# Altium PCB Terra.PcbDoc (part 6 of 7)
Units mm, origin at the board's own origin, x right, y up, seen from the top; angles counter-clockwise.
Board outline 126 x 65 mm, 6 copper layers (Top Layer, Int1 (Sign), Int2 (GND), Int3(PWR), Int4(Sign), Bottom Layer), stack 2.348 mm thick; 559 components, 490 nets, 2466 pads, 1027 vias.
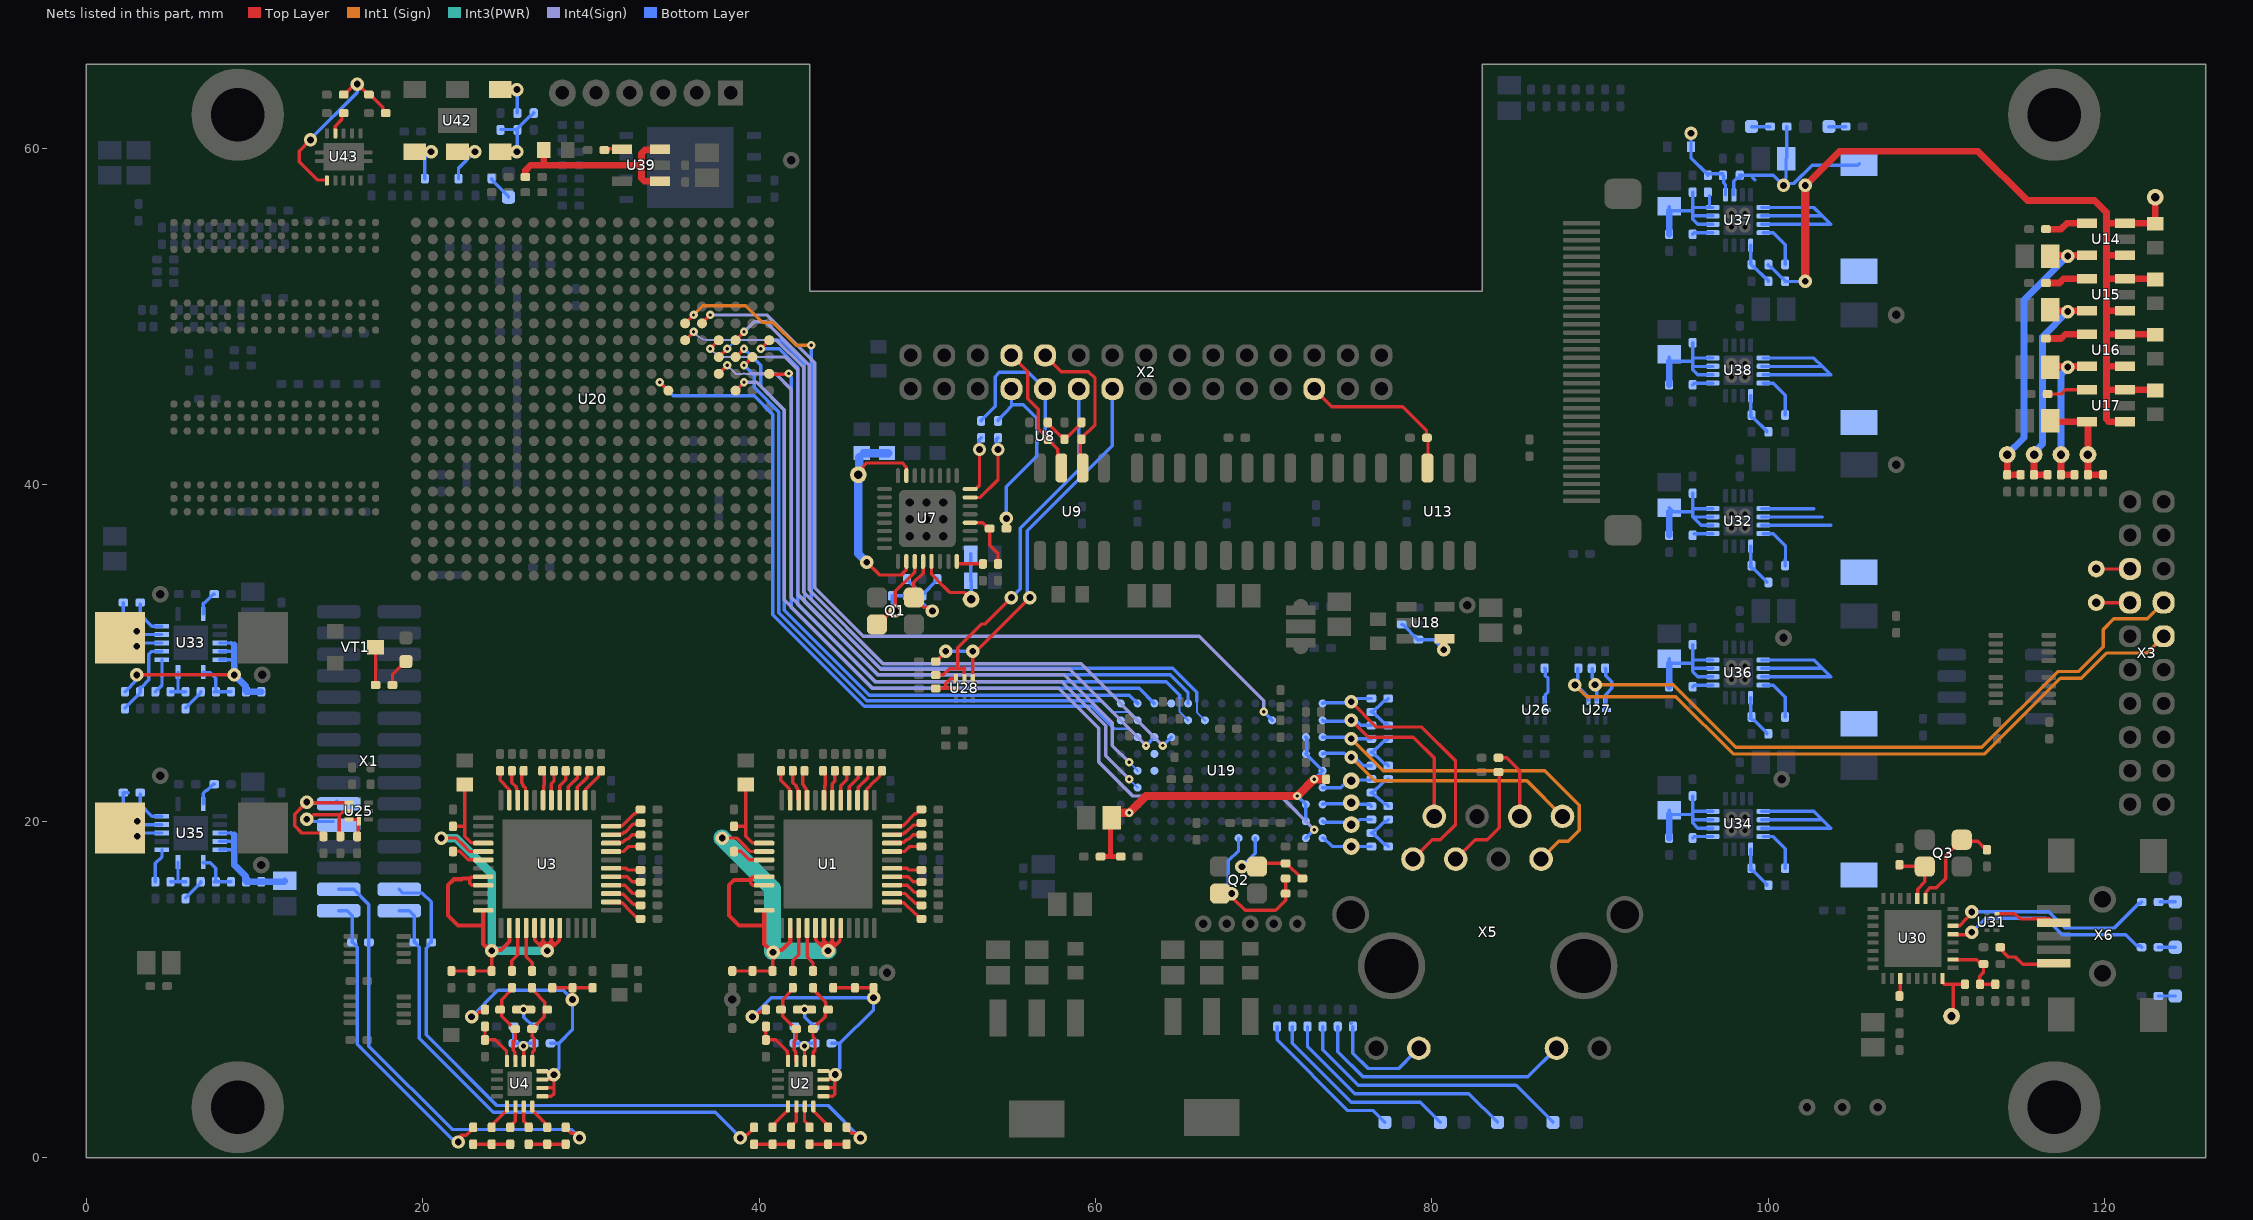
[diagram p10: the nets of this part, all layers, seen from the top]

## Via types
v1: diameter 0.5/0.5/0.5/0.5/0.5/0.5 (per signal layer), hole 0.2, Top Layer to Bottom Layer, tented both sides, 471 vias
v2: diameter 0.8, hole 0.4, Top Layer to Bottom Layer, tented both sides, 402 vias
v3: diameter 0.5/0.5/0.5/0.3/0.5/0.5 (per signal layer), hole 0.2, Top Layer to Bottom Layer, tented both sides, 87 vias
v4: diameter 0.9, hole 0.4, Top Layer to Bottom Layer, 32 vias
v5: diameter 0.6, hole 0.3, Top Layer to Bottom Layer, tented both sides, 26 vias
v6: diameter 0.6/0.6/0.6/0.6/0.6/0.6 (per signal layer), hole 0.3, Top Layer to Bottom Layer, tented both sides, 3 vias
v7: diameter 0.5/0.3/0.5/0.5/0.5/0.5 (per signal layer), hole 0.2, Top Layer to Bottom Layer, tented both sides, 3 vias
v8: diameter 0.8/0.8/0.8/0.5/0.8/0.8 (per signal layer), hole 0.4, Top Layer to Bottom Layer, tented both sides, 2 vias
v9: diameter 0.8/0.8/0.8/0.8/0.8/0.8 (per signal layer), hole 0.4, Top Layer to Bottom Layer, tented both sides, 1 vias

## Nets (pads, with @x,y where several pads share a name; then routed paths per layer and width w, separated by ;. In a path a pad name is that pad's centre, name@x,y a point inside that pad or via, vN(x,y) a via of type N, cw(c..) or ccw(c..) an arc to the next point about the centre after c; other vN are vias at no path point) (continued)
MA2-: R72.2 U13.7 X2.25 | length 9.8
  Top Layer w0.2: X2.25@73,45.7 74.05,44.65 78.25,44.65 79.677,43.223 79.677,42.823 R72.2@79.7,42.8 ; U13.7@79.765,41.065 R72.2@79.765,42.735
NetC1_1: C1.1 C2.1 L2.2 U1.29 U1.32 U1.33 U1.36 U1.38 U1.41 U1.42 U1.43 U1.44 | length 36
  Top Layer w0.2: v2(37.8,19) 38.684,19 39.097,18.587 39.484,18.2 U1.29@40.3,18.2 ; L2.2@38.4,11.1 C1.1@40.8,11.1 ; U1.33@40.3,16.2 39.617,16.2 39.5,16.317 39.5,16.5 39.5,16.6 39.56,16.66 40.26,16.66 U1.32@40.3,16.7 ; C1.1@40.8,11.2 v2@40.8,12.217 ; U1.41@43.35,13.65 43.362,13.638 43.362,12.938 44,12.3 v2(44.1,12.3) 44.1,12.5 44.062,12.5 43.985,12.577 v2@43.985,12.615 ; 43.85,12.75 U1.42@43.85,13.65 ; v2@44.2,12.3 44.81,12.91 44.81,13.61 U1.44@44.85,13.65 ; 44.35,12.75 U1.43@44.35,13.65
  Top Layer w0.25: 39.5,16.5 38.5,16.5 38.2,16.2 38.2,14.4 38.8,13.8 40.3,13.8 ; U1.36@40.3,14.7 40.3,13.8 ; U1.38@41.85,13.65 41.85,12.85 41.345,12.345 41.033,12.345 40.905,12.217 v2(40.828,12.217) 40.8,12.217 40.783,12.217 40.3,12.7 40.3,13.8
  Top Layer w0.4: 43.85,12.75 v2@43.985,12.615 ; v2@44.1,12.5 44.35,12.75
  Int3(PWR) w0.5: v2@40.8,12.245 v2(40.828,12.217)
  Int3(PWR) w1: v2(37.8,19) 40.8,16 v2@40.8,12.245 ; v2@40.8,12.3 v2(44.1,12.3)
NetC5_1: C5.1 U1.39 | length 2.7
  Top Layer w0.2: C5.1@42,11.1 42,11.7 42.35,12.05 U1.39@42.35,13.65
NetC5_2: C5.2 C7.1 R21.1 U2.11 | length 5.1
  Top Layer w0.2: R21.1@41.3,8.8 41.308,8.8 41.398,8.89 41.398,9.398 41.91,9.91 41.91,10.01 C5.2@42,10.1 ; R21.1@41.4,8.739 41.4,8.662 41.4,8.4 42.15,7.65 C7.1@42.2,7.65 42.2,7.037 42.08,6.917 42.08,6.373 42.173,6.28 42.173,5.769 U2.11@42.2,5.742
NetC6_1: C6.1 R8.1 R10.1 | length 2.2
  Top Layer w0.2: C6.1@39.7,0.8 R8.1@40.8,0.8 R10.1@41.9,0.8
NetC6_2: C6.2 R7.2 X1.2 | length 31.2
  Top Layer w0.2: v2(38.88,1.17) 38.88,1.224 39.006,1.35 39.289,1.35 39.7,1.761 C6.2@39.7,1.8
  Bottom Layer w0.2: X1.2@18.6,14.68 19.208,14.68 19.5,14.388 R7.2@19.5,12.8 19.539,12.8 19.678,12.662 19.678,12.622 19.8,12.5 19.8,7.1 24.2,2.7 37.4,2.7 38.88,1.22 v2(38.88,1.17)
NetC7_2: C7.2 C8.2 R22.1 U2.9 | length 5.1
  Top Layer w0.2: U2.9@43.2,5.742 43.227,5.769 43.227,6.28 43.32,6.373 43.32,7.057 43.2,7.177 C7.2@43.2,7.65 43.239,7.65 43.378,7.789 43.378,7.828 43.933,8.383 43.933,8.733 44,8.8 43.96,8.84 43.96,9.24 43.29,9.91 43.29,10.01 C8.2@43.2,10.1
NetC8_1: C8.1 U1.40 | length 2.7
  Top Layer w0.2: U1.40@42.85,13.65 42.85,11.95 43.2,11.6 C8.1@43.2,11.1
NetC9_1: C9.1 R12.1 R14.1 | length 2.2
  Top Layer w0.2: R12.1@43,0.8 C9.1@45.2,0.8
NetC9_2: C9.2 R7.1 X1.4 | length 39.8
  Top Layer w0.2: C9.2@45.2,1.761 45.516,1.445 45.852,1.445 45.967,1.33 45.967,1.223 v2(46.02,1.17)
  Bottom Layer w0.2: X1.4@18.6,15.95 18.819,15.731 19.969,15.731 20.5,15.2 R7.1@20.5,12.8 20.461,12.8 20.322,12.662 20.322,12.565 20.2,12.443 20.2,7.3 24.4,3.1 44.1,3.1 46.02,1.18 v2(46.02,1.17)
NetC10_1: C10.1 C11.1 L1.2 R1.1 R2.1 U2.5 U2.6 U2.7 U2.8 | length 21.7
  Top Layer w0.2: v2(39.6,8.38) 39.762,8.38 40.049,8.667 40.267,8.667 R1.1@40.4,8.8 ; U2.7@43.796,4.646 v2@44.5,4.646 ; U2.8@43.796,5.146 43.821,5.121 44.166,5.121 44.223,5.065 44.385,5.065 v2@44.5,4.95 ; U2.5@43.8,3.65 44.383,3.65 44.5,3.767 44.5,4.146 ; U2.6@43.815,4.148 43.817,4.146 44.5,4.146 ; C10.1@44.4,10.1 L1.2@46.8,10.1 ; v2(44.53,4.94) 44.5,4.909 v2@44.5,4.646 ; C11.1@45.6,10.1 45.639,10.1 C11.1@45.828,9.912 ; v2@46.66,9.582 46.718,9.582 v2(46.8,9.5) ; 44.5,4.146 v2@44.5,4.646
  Bottom Layer w0.2: v2(39.6,8.38) 40.72,9.5 v2(46.8,9.5) ; R2.1@44.3,6.8 44.8,6.8 ; v2(44.53,4.94) 44.53,5.056 44.8,5.326 44.8,6.8 ; v2@46.692,9.5 v2(46.8,9.5) ; 44.8,6.8 46.8,8.8 v2(46.8,9.5)
NetC12_1: C12.1 R2.2 R20.1 U2.10 | length 3.1
  Top Layer w0.2: U2.10@42.7,5.742 v5(42.7,6.63)
  Bottom Layer w0.2: C12.1@42.1,7.6 R20.1@42.1,6.8 v5@42.7,6.8 ; v5(42.7,6.63) v5@42.7,6.8 ; R2.2@43.3,6.8 v5@42.7,6.8
NetC13_1: C13.1 C14.1 U1.28 | length 5.1
  Top Layer w0.2: C13.1@38.5,19.7 39.2,19.7 ; C14.1@39.2,22.189 39.2,19.7 ; U1.28@40.3,18.7 40.288,18.712 39.588,18.712 39.2,19.1 39.2,19.7
NetC15_1: C15.1 R21.2 R22.2 | length 2
  Top Layer w0.2: R21.2@42.3,8.8 v5(42.7,8.8) R22.2@43,8.8
  Bottom Layer w0.2: v5(42.7,8.8) 42.705,8.795 42.705,8.356 43.261,7.8 C15.1@43.3,7.8
NetC16_1: C16.1 C17.1 L4.2 U3.29 U3.32 U3.33 U3.36 U3.38 U3.41 U3.42 U3.43 U3.44 | length 36.1
  Top Layer w0.2: v2(21.1,19) 21.984,19 22.397,18.587 22.784,18.2 U3.29@23.6,18.2 ; L4.2@21.7,11.1 C16.1@24.1,11.1 ; U3.33@23.6,16.2 22.917,16.2 22.8,16.317 22.8,16.6 22.86,16.66 23.56,16.66 U3.32@23.6,16.7 ; C16.1@24.1,11.2 v2(24.1,12.3) ; U3.41@26.65,13.65 26.662,13.638 26.662,12.938 27.3,12.3 v2(27.4,12.3) 27.4,12.5 27.362,12.5 27.285,12.577 v2@27.285,12.615 ; 27.15,12.75 U3.42@27.15,13.65 ; v2@27.5,12.3 28.11,12.91 28.11,13.61 U3.44@28.15,13.65 ; 27.65,12.75 U3.43@27.65,13.65
  Top Layer w0.25: 22.8,16.6 22.35,16.6 22.296,16.546 21.846,16.546 21.5,16.2 21.5,14.4 22.1,13.8 23.6,13.8 ; U3.36@23.6,14.7 23.6,13.8 ; v2@24,12.3 23.6,12.7 23.6,13.8 ; v2@24.333,12.345 24.645,12.345 25.15,12.85 U3.38@25.15,13.65
  Top Layer w0.4: 27.15,12.75 v2@27.285,12.615 ; v2@27.4,12.5 27.65,12.75
  Int3(PWR) w0.5: v2(21.1,19) 21.975,19 24.1,16.875 v2(24.1,12.3) v2(27.4,12.3)
NetC20_1: C20.1 U3.39 | length 2.7
  Top Layer w0.2: C20.1@25.3,11.1 25.3,11.7 25.65,12.05 U3.39@25.65,13.65
NetC20_2: C20.2 C22.1 R51.1 U4.11 | length 5.1
  Top Layer w0.2: R51.1@24.6,8.8 24.608,8.8 24.698,8.89 24.698,9.398 25.21,9.91 25.21,10.01 C20.2@25.3,10.1 ; R51.1@24.7,8.739 24.7,8.662 24.7,8.4 25.45,7.65 C22.1@25.5,7.65 25.5,7.037 25.38,6.917 25.38,6.373 25.473,6.28 25.473,5.769 U4.11@25.5,5.742
NetC21_1: C21.1 R38.1 R40.1 | length 2.2
  Top Layer w0.2: C21.1@23,0.8 R38.1@24.1,0.8 R40.1@25.2,0.8
NetC21_2: C21.2 R37.2 X1.1 | length 18.5
  Top Layer w0.2: v2(22.114,0.93) 22.114,1.142 22.297,1.325 22.575,1.325 23,1.75 C21.2@23,1.8
  Bottom Layer w0.2: X1.1@15,14.68 15.508,14.68 15.8,14.388 R37.2@15.8,12.8 15.839,12.8 15.978,12.662 15.978,12.622 16.1,12.5 16.1,6.75 21.722,1.128 21.754,1.128 21.952,0.93 v2(22.114,0.93)
NetC22_2: C22.2 C23.2 R52.1 U4.9 | length 5.1
  Top Layer w0.2: U4.9@26.5,5.742 26.527,5.769 26.527,6.28 26.62,6.373 26.62,7.057 26.5,7.177 C22.2@26.5,7.65 26.539,7.65 26.678,7.789 26.678,7.828 27.233,8.383 27.233,8.733 27.3,8.8 27.26,8.84 27.26,9.24 26.59,9.91 26.59,10.01 C23.2@26.5,10.1
NetC23_1: C23.1 U3.40 | length 2.7
  Top Layer w0.2: U3.40@26.15,13.65 26.15,11.95 26.5,11.6 C23.1@26.5,11.1
NetC24_1: C24.1 R42.1 R44.1 | length 2.2
  Top Layer w0.2: R42.1@26.3,0.8 C24.1@28.5,0.8
NetC24_2: C24.2 R37.1 X1.3 | length 26.5
  Top Layer w0.2: C24.2@28.5,1.761 28.816,1.445 29.152,1.445 29.267,1.33 29.267,1.223 v2(29.32,1.17)
  Bottom Layer w0.2: X1.3@15,15.95 15.9,15.95 16.8,15.05 R37.1@16.8,12.8 16.8,6.616 21.741,1.675 28.815,1.675 v2(29.32,1.17)
NetC25_1: C25.1 R32.2 R50.1 U4.10 | length 3.1
  Top Layer w0.2: U4.10@26,5.742 v5(26,6.63)
  Bottom Layer w0.2: C25.1@25.4,7.6 R50.1@25.4,6.8 v5@26,6.8 ; v5(26,6.63) v5@26,6.8 ; R32.2@26.6,6.8 v5@26,6.8
NetC26_1: C26.1 C27.1 L3.2 R31.1 R32.1 U4.5 U4.6 U4.7 U4.8 | length 21
  Top Layer w0.2: v2(22.9,8.38) 23.062,8.38 23.349,8.667 23.567,8.667 R31.1@23.7,8.8 ; U4.5@27.096,3.646 27.646,3.646 27.804,3.804 ; U4.7@27.096,4.646 v2@27.8,4.646 ; U4.8@27.096,5.146 27.332,5.146 27.444,5.035 27.685,5.035 v2(27.8,4.92) ; U4.6@27.106,4.144 U4.6@27.106,4.144 27.8,4.146 ; C27.1@27.7,10.1 C26.1@28.9,10.1 ; 27.8,3.8 27.8,4.146 ; v2@27.8,5.146 v2(27.8,4.92) ; v2(28.9,9.4) C26.1@28.9,10.1 ; L3.2@30.1,10.1 C26.1@28.9,10.1 ; 27.8,4.146 v2@27.8,4.646 ; v2@27.8,4.646 v2(27.8,4.92) ; v2@27.8,4.646 27.8,4.9 v2(27.8,4.92)
  Bottom Layer w0.2: v2(22.9,8.38) 24.47,9.95 28.35,9.95 v2(28.9,9.4) 28.9,7.6 28.1,6.8 ; R32.1@27.6,6.8 28.1,6.8 ; v2(27.8,4.92) 27.8,5.026 28.1,5.326 28.1,6.8
NetC28_1: C28.1 C29.1 U3.28 | length 5.1
  Top Layer w0.2: C28.1@21.8,19.7 22.5,19.7 ; C29.1@22.5,22.189 22.5,19.7 ; U3.28@23.6,18.7 23.588,18.712 22.888,18.712 22.5,19.1 22.5,19.7
NetC30_1: C30.1 R51.2 R52.2 | length 2
  Top Layer w0.2: R51.2@25.6,8.8 v5(26,8.8) R52.2@26.3,8.8
  Bottom Layer w0.2: v5(26,8.8) 26.005,8.795 26.005,8.356 26.561,7.8 C30.1@26.6,7.8
NetC44_2: C44.2 C45.2 TP3.1 U7.29 | length 6.5
  Top Layer w0.2: U7.29@50.25,35.452 50.25,34.677 50.337,34.59 cw(c49.8,33.8) 50.59,34.337 50.602,34.324 51.268,33.659 51.327,33.6 52.2,33.6 52.259,33.541 TP3.1@52.6,33.2
  Bottom Layer w0.2: C44.2@52.589,35.9 C45.2@52.589,34.3 52.6,34.289 TP3.1@52.6,33.2 TP3.1@52.6,33.1
NetC46_2: C46.2 C47.2 TP4.1 U7.15 U7.26 | length 15.3
  Top Layer w0.2: TP4.1@46,40.9 46.4,41.3 48.5,41.3 48.742,41.058 48.742,40.557 U7.15@48.751,40.548 ; v2(46.4,35.4) 47.16,34.64 48.44,34.64 48.742,34.942 48.742,35.443 U7.26@48.751,35.452
  Bottom Layer w0.2: C47.2@45.861,41.65 C47.2@46.1,41.889 C47.2@46.104,41.885 ; TP4.1@45.9,40.7 TP4.1@45.9,40.6 TP4.1@45.961,40.661 ; C46.2@47.584,41.873 47.596,41.885 C46.2@47.6,41.889
  Bottom Layer w0.5: TP4.1@45.9,40.7 45.9,35.9 v2(46.4,35.4) ; TP4.1@45.961,40.661 C47.2@45.961,41.65 ; C47.2@46.204,41.885 47.596,41.885 C46.2@47.685,41.885
NetC48_1: C48.1 C51.2 Q1.1 R64.1 U7.28 | length 7.7
  Top Layer w0.2: U7.28@49.75,35.452 49.75,34.75 49.2,34.2 Q1.1@49.2,33.3 49.785,32.715 50.085,32.715 v2(50.3,32.5)
  Bottom Layer w0.2: R64.1@48.8,34.4 48.8,34.35 C48.1@49.7,33.45 ; v2(50.3,32.5) 50.2,32.5 49.7,33 C48.1@49.7,33.4 C48.1@49.7,33.45 ; C51.2@50.6,34.4 50.6,34.35 C48.1@49.7,33.45
NetC49_1: C49.1 Q1.3 R64.2 U7.27 | length 6.3
  Top Layer w0.2: Q1.3@47,31.7 47.038,31.7 47.838,32.5 v2(48.1,32.5) ; v2(48.1,32.5) 48.1,33.666 49.251,34.816 U7.27@49.251,35.452
  Bottom Layer w0.2: 47.9,32.862 C49.1@47.9,33.4 R64.2@48.8,33.4
NetC50_1: C50.1 R61.1 U7.4 | length 3.6
  Top Layer w0.2: U7.4@52.548,37.75 53.298,37.75 53.648,37.4 R61.1@53.7,37.4 53.7,36.4 54.2,35.9 C50.1@54.2,35.3
NetC56_1: C56.1 R66.1 R67.2 | length 2.9
  Top Layer w0.2: R66.1@57.16,43.711 57.16,43.661 57.932,42.889 58.022,42.889 C56.1@58.16,42.75 ; C56.1@58.16,42.711 C56.1@58.16,42.75 ; R67.2@59.16,43.711 59.16,43.672 59.009,43.521 58.377,42.889 58.298,42.889 C56.1@58.16,42.75
NetC61_1: C61.1 C65.1 C69.1 C73.1 C145.1 C146.1 L12.1 R153.1 R154.2 R155.1 TP32.1 U14.1 U14.3 U15.1 U15.3 U16.1 U16.3 U17.1 U17.3 U37.14 | length 70.8
  Top Layer w0.4: v2@102.2,57.7 v2(102.2,57.8) 104.225,59.825 112.475,59.825 115.4,56.9 119.4,56.9 120.1,56.2 120.1,55.5 ; 120.148,45.648 U17.3@121.211,45.648 ; 120.152,53.648 U14.1@121.211,53.648 ; U17.1@121.211,43.748 120.252,43.748 120.1,43.9 120.1,47 ; U16.1@121.211,47.048 120.148,47.048 120.1,47 ; U15.1@121.211,50.348 120.152,50.348 120.1,50.4 ; U17.3@121.311,45.653 C61.1@123.07,45.653 ; C65.1@122.97,48.953 U16.3@121.211,48.953 120.1,48.953 ; C73.1@122.97,52.253 U15.3@121.211,52.253 120.1,52.253 ; TP32.1@123,56.6 C69.1@123,55.522 122.97,55.553 U14.3@121.211,55.553 120.153,55.553 120.1,55.5 ; 120.1,47 120.1,48.953 ; 120.1,48.953 120.1,50.4 ; 120.1,50.4 120.1,52.253 ; 120.1,52.253 120.1,55.5
  Top Layer w0.5: v2(102.2,52.1) v2@102.2,57.7
  Bottom Layer w0.2: U37.14@97.95,57.239 97.95,58.05 98.122,58.222 98.361,58.222 C145.1@98.361,58.323 ; C145.1@98.3,58.4 100.3,58.4 v2(100.9,57.8) v2@101.016,57.916 ; 99.083,58.25 99.2,58.133 ; R153.1@100,53.1 100,53.061 100.138,52.922 100.178,52.922 100.822,52.278 100.862,52.278 101,52.139 R155.1@101,52.1 ; R155.1@101,52.089 v2@102.189,52.089 ; R154.2@101.1,61.3 101.1,59.45 C146.1@101.05,59.4 101.05,57.95 v2@101.016,57.916 ; L12.1@105.4,59.1 105.3,59 102.6,59 101.516,57.916 v2@101.016,57.916
NetC62_1: C62.1 U14.4 | length 2.6
  Top Layer w0.4: C62.1@116.5,55.2 117.4,55.2 117.753,55.553 U14.4@118.947,55.553
NetC63_1: C63.1 C64.1 R73.2 TP7.1 U14.5 | length 17.3
  Top Layer w0.4: TP7.1@114.2,41.8 R73.2@114.2,40.6 C63.1@115,40.6 ; C64.1@116.75,53.6 C64.1@116.798,53.648 ; C64.1@116.998,53.648 U14.5@118.947,53.648
  Bottom Layer w0.4: TP7.1@114.2,41.8 115.2,42.8 115.2,51 v2(117.8,53.6)
NetC66_1: C66.1 U15.4 | length 2.6
  Top Layer w0.4: C66.1@116.5,52 117.3,52 117.553,52.253 U15.4@118.947,52.253
NetC67_1: C67.1 C68.1 R74.2 TP8.1 U15.5 | length 13.3
  Top Layer w0.4: TP8.1@115.8,41.8 R74.2@115.8,40.6 C67.1@116.6,40.6 ; C68.1@116.75,50.4 C68.1@116.802,50.348 ; C68.1@117.002,50.348 U15.5@118.947,50.348
  Bottom Layer w0.4: TP8.1@115.8,41.8 115.8,41.934 116.3,42.434 116.3,48.8 v2(117.8,50.3)
NetC70_1: C70.1 U16.4 | length 2.6
  Top Layer w0.4: C70.1@116.5,48.7 117.4,48.7 117.653,48.953 U16.4@118.947,48.953
NetC71_1: C71.1 C72.1 R75.2 TP9.1 U16.5 | length 9.7
  Top Layer w0.2: C72.1@116.75,47 C72.1@116.85,47.1
  Top Layer w0.4: C72.1@116.75,47 C72.1@116.798,47.048 ; C72.1@116.998,47.048 U16.5@118.947,47.048 ; TP9.1@117.2,41.8 117.2,41.638 117.285,41.638 117.4,41.523 R75.2@117.4,40.6 C71.1@118.2,40.6
  Bottom Layer w0.4: TP9.1@117.4,41.8 117.4,46.566 117.8,46.966 v2(117.8,47)
NetC74_1: C74.1 U17.4 | length 2.5
  Top Layer w0.2: C74.1@116.6,45.4 117.4,45.4 117.653,45.653 U17.4@118.947,45.653
NetC75_1: C75.1 C76.1 R76.2 TP10.1 U17.5 | length 6.1
  Top Layer w0.4: C76.1@116.75,43.8 C76.1@116.802,43.748 ; C76.1@117.002,43.748 U17.5@118.947,43.748 119,43.695 TP10.1@119,41.8 R76.2@119,40.6 C75.1@119.9,40.6
NetC88_1: C88.1 R85.2 R86.2 | length 2.6
  Bottom Layer w0.2: C88.1@76.4,26.5 C88.1@76.461,26.5 ; R86.2@77.4,25.7 77.272,25.828 77.156,25.828 76.744,26.24 76.721,26.24 C88.1@76.461,26.5 ; R85.2@77.4,27.3 77.272,27.172 77.156,27.172 76.744,26.76 76.721,26.76 C88.1@76.461,26.5
NetC89_1: C89.1 R87.2 R88.2 | length 2.6
  Bottom Layer w0.2: C89.1@76.4,24.1 C89.1@76.461,24.1 ; R88.2@77.4,23.3 77.272,23.428 77.156,23.428 76.744,23.84 76.721,23.84 C89.1@76.461,24.1 ; R87.2@77.4,24.9 77.272,24.772 77.156,24.772 76.744,24.36 76.721,24.36 C89.1@76.461,24.1
NetC90_1: C90.1 R89.2 R90.2 | length 2.6
  Bottom Layer w0.2: C90.1@76.4,21.7 C90.1@76.461,21.7 ; R90.2@77.4,20.9 77.272,21.028 77.156,21.028 76.744,21.44 76.721,21.44 C90.1@76.461,21.7 ; R89.2@77.4,22.5 77.272,22.372 77.156,22.372 76.744,21.96 76.721,21.96 C90.1@76.461,21.7
NetC91_1: C91.1 R91.2 R92.2 | length 2.6
  Bottom Layer w0.2: C91.1@76.4,19.3 C91.1@76.461,19.3 ; R92.2@77.4,18.5 77.272,18.628 77.156,18.628 76.744,19.04 76.721,19.04 C91.1@76.461,19.3 ; R91.2@77.4,20.1 77.272,19.972 77.156,19.972 76.744,19.56 76.721,19.56 C91.1@76.461,19.3
NetC92_1: C92.1 X5.3 | length 6.7
  Top Layer w0.2: X5.3@81.41,17.75 82.56,18.9 83.3,18.9 84,19.6 84,22.875 C92.1@83.95,22.925
NetC93_1: C93.1 X5.6 | length 4.4
  Top Layer w0.2: C93.1@83.95,23.775 84.45,23.775 85.21,23.015 85.21,20.3 X5.6@85.22,20.29
  Bottom Layer w0.2: X5.6@85.22,20.29 X5.6@85.26,20.25
NetC94_1: C94.1 C95.1 C96.1 L5.2 U19.B7 U19.M3 U19.M4 U19.M7 U19.M8 U19.N5 | length 22.7
  Top Layer w0.2: C95.1@60.2,17.9 C95.1@60.3,17.9 ; C96.1@60.9,20.15 C96.1@60.95,20.2
  Top Layer w0.3: C95.1@60.3,17.9 L5.2@61.4,17.9 ; 60.9,18 C96.1@60.9,20.15
  Top Layer w0.5: C96.1@60.84,20.29 C96.1@60.95,20.4 ; C96.1@61,20.35 61.15,20.5 v1(62,20.5) 63,21.5 v1(72,21.5) v1(73,22.5) C94.1@73.7,22.5
  Bottom Layer w0.2: v1(62,20.5) U19.B7@62.5,21 ; v1(72,21.5) U19.M7@72.5,21 U19.M8@72.5,20 ; U19.M3@72.5,25 72.55,24.95 72.55,24.05 U19.M4@72.5,24 U19.N5@73.5,23 v1(73,22.5)
NetC100_1: C100.1 Q2.3 R93.1 U19.H9 | length 9.4
  Top Layer w0.2: Q2.3@67.4,15.9 v2@68.2,15.9 ; v2@68.2,15.4 68.9,14.7 70.7,14.7 71.3,15.3 C100.1@71.3,15.7 R93.1@71.3,16.6
  Bottom Layer w0.2: v2(68.1,15.7) 68.1,15.862 67.9,16.062 67.9,17.65 68.5,18.25 U19.H9@68.5,19
NetC101_1: C101.1 Q2.1 R93.2 U19.J9 | length 5.8
  Top Layer w0.2: Q2.1@69.5,17 69.5,17.6 69.6,17.5 C101.1@71.3,17.5 71.35,17.5 72.25,16.6 R93.2@72.3,16.6
  Bottom Layer w0.2: v2(68.7,17.3) 69.5,18.1 U19.J9@69.5,19
NetC106_1: C106.1 TP21.1 U30.16 | length 3.2
  Top Layer w0.2: U30.16@110.341,10.634 110.341,10.431 110.463,10.309 110.589,10.309 110.991,10.309 ; TP21.1@110.891,8.709 110.991,8.809 110.991,10.309 ; C106.1@111.691,10.309 110.991,10.309
NetC107_1: C107.1 Q3.3 U30.28 | length 3.7
  Top Layer w0.2: C107.1@107.791,17.209 107.902,17.32 109.18,17.32 Q3.3@109.291,17.209 ; U30.28@108.848,15.409 108.875,15.436 108.875,15.968 109.3,16.393 Q3.3@109.3,17.3
NetC108_1: C108.1 Q3.1 U30.27 | length 6.4
  Top Layer w0.2: U30.27@109.341,15.384 109.375,15.418 U30.27@109.375,15.436 ; U30.27@109.348,15.409 U30.27@109.375,15.436 ; Q3.1@111.491,18.809 112.441,18.809 C108.1@112.991,18.259 ; Q3.1@111.5,18.9 110.55,17.95 110.55,16.595 109.994,16.039 109.597,16.039 109.375,15.817 U30.27@109.375,15.436
NetC109_1: C109.1 R122.2 R124.1 U30.18 | length 4
  Top Layer w0.2: U30.18@110.966,11.759 112.38,11.759 112.63,11.509 R122.2@112.691,11.509 ; R122.2@112.791,11.509 112.791,11.009 112.574,10.792 112.574,10.326 C109.1@112.591,10.309 R124.1@113.491,10.309
NetC112_1: C112.1 U33.13 | length 2.2
  Bottom Layer w0.2: C112.1@3.2,32.9 3.2,32.3 3.9,31.6 U33.13@4.475,31.6
NetC112_2: C112.2 L8.2 U33.11 U33.12 | length 6.3
  Bottom Layer w0.2: C112.2@2.2,33 2.2,30.8 2.485,30.515 2.885,30.515 v2(3,30.4) 3.162,30.4 3.362,30.6 U33.11@4.475,30.6 ; v2(3,31.3) 3.162,31.3 3.362,31.1 U33.12@4.475,31.1
NetC113_1: C113.1 C114.1 R125.1 U32.10 U32.11 U32.12 | length 8.1
  Bottom Layer w0.2: C113.1@94.1,38.65 94.35,38.4 95.5,38.4 ; 95.5,38.089 95.5,38.4 ; C114.1@95.5,39.5 95.5,38.6 95.5,38.589 ; U32.10@96.7,37.589 96.011,37.589 95.511,38.089 U32.11@96.7,38.089 ; U32.12@96.7,38.589 95.5,38.589 ; 95.5,38.4 95.5,38.589
  Bottom Layer w0.4: R125.1@94.1,37 C113.1@94.1,38.4
NetC115_1: C115.1 U32.9 | length 1.1
  Bottom Layer w0.2: C115.1@95.589,37.089 U32.9@96.7,37.089
NetC118_1: C118.1 R128.1 R130.1 U33.4 U33.5 U33.6 | length 13.7
  Top Layer w0.2: v2(3,28.7) v2(8.8,28.7)
  Bottom Layer w0.2: R130.1@2.3,27.7 3,28.4 v2(3,28.7) ; U33.6@7.925,29.6 8.683,29.6 ; U33.5@7.925,30.1 8.8,30.1 ; U33.4@7.925,30.6 8.6,30.6
  Bottom Layer w0.25: 8.6,30.6 8.8,30.4 ; 8.683,29.6 8.8,29.717
  Bottom Layer w0.4: 8.8,29.6 v2(8.8,28.7) 9.46,28.04 9.46,27.79 C118.1@9.5,27.79 ; 8.8,29.717 8.8,30.117 ; 8.8,30.1 8.8,30.5 ; C118.1@9.5,27.7 R128.1@10.4,27.7
NetC119_2: C119.2 U33.9 | length 2.1
  Bottom Layer w0.2: C119.2@4.1,27.7 4.5,28.1 U33.9@4.5,29.6
NetC120_2: C120.2 R133.1 U33.8 | length 2.1
  Bottom Layer w0.2: C120.2@5,27.7 5.4,27.7 ; U33.8@5.45,28.875 5.45,27.75 5.4,27.7 ; R133.1@5.9,27.7 5.4,27.7
NetC121_2: C121.2 R133.2 | length 1.3
  Bottom Layer w0.2: R133.2@5.9,26.75 6.8,27.65 C121.2@6.8,27.7
NetC124_1: C124.1 U35.13 | length 2.2
  Bottom Layer w0.2: C124.1@3.2,21.6 3.2,21 3.9,20.3 U35.13@4.475,20.3
NetC124_2: C124.2 L10.2 U35.11 U35.12 | length 6.5
  Bottom Layer w0.2: 2.5,21.7 C124.2@2.2,21.7 2.2,19.5 2.485,19.215 2.885,19.215 v2@3,19.1 ; v2(3.02,19.1) 3.162,19.1 3.362,19.3 U35.11@4.475,19.3 ; v2(3.02,20) 3.162,20 3.362,19.8 U35.12@4.475,19.8
NetC125_1: C125.1 C126.1 R137.1 U34.10 U34.11 U34.12 | length 8.5
  Bottom Layer w0.2: C125.1@94.1,20.65 94.1,20.4 95.5,20.4 ; C126.1@95.5,21.5 95.5,20.6 ; U34.12@96.5,20.639 U34.12@96.55,20.589 ; U34.10@96.7,19.589 95.811,19.589 95.5,19.9 95.5,20.089 ; U34.11@96.7,20.089 95.5,20.089 ; U34.12@96.7,20.589 U34.12@96.55,20.589 ; 95.5,20.089 95.5,20.4 ; 95.5,20.4 95.5,20.6 ; 95.5,20.6 95.511,20.589 U34.12@96.55,20.589
  Bottom Layer w0.4: R137.1@94.1,19 C125.1@94.1,20.4
NetC127_1: C127.1 U34.9 | length 1.2
  Bottom Layer w0.2: C127.1@95.5,19 95.589,19.089 U34.9@96.7,19.089
NetC130_1: C130.1 C131.1 R140.1 U35.4 U35.5 U35.6 | length 8
  Bottom Layer w0.2: U35.6@7.925,18.3 8.683,18.3 ; U35.5@7.925,18.8 8.8,18.8 ; U35.4@7.925,19.3 8.6,19.3
  Bottom Layer w0.25: 8.6,19.3 8.8,19.1 ; 8.683,18.3 8.8,18.417
  Bottom Layer w0.4: 8.8,18.3 8.8,17.4 9.46,16.74 9.46,16.49 C130.1@9.5,16.49 ; 8.8,18.417 8.8,18.817 ; 8.8,18.8 8.8,19.2 ; C130.1@9.5,16.4 11.75,16.4 C131.1@11.8,16.45
NetC132_2: C132.2 U35.9 | length 2.1
  Bottom Layer w0.2: C132.2@4.1,16.4 4.1,17.5 4.5,17.9 U35.9@4.5,18.3
NetC133_2: C133.2 R144.1 U35.8 | length 2.1
  Bottom Layer w0.2: C133.2@5,16.4 5.4,16.4 ; U35.8@5.45,17.575 5.45,16.45 5.4,16.4 ; R144.1@5.9,16.4 5.4,16.4
NetC134_2: C134.2 R144.2 | length 1.3
  Bottom Layer w0.2: R144.2@5.9,15.45 6.8,16.35 C134.2@6.8,16.4
NetC137_1: C137.1 C138.1 R147.1 U36.10 U36.11 U36.12 | length 8.5
  Bottom Layer w0.2: C137.1@94.1,29.65 94.1,29.4 95.5,29.4 ; C138.1@95.5,30.5 95.5,29.6 ; U36.12@96.5,29.639 U36.12@96.55,29.589 ; U36.10@96.7,28.589 95.811,28.589 95.5,28.9 95.5,29.089 ; U36.11@96.7,29.089 95.5,29.089 ; U36.12@96.7,29.589 U36.12@96.55,29.589 ; 95.5,29.089 95.5,29.4 ; 95.5,29.4 95.5,29.6 ; 95.5,29.6 95.511,29.589 U36.12@96.55,29.589